# Altium PCB BLDC_DRIVER.PcbDoc (part 3 of 3)
Units mm, origin at the board's own origin, x right, y up, seen from the top; angles counter-clockwise.
Board outline 152.4 x 101.6 mm, 6 copper layers (Top Layer, Internal Plane 1, Signal Layer 1, Signal Layer 2, Internal Plane 2, Bottom Layer), stack 1.3 mm thick; 189 components, 186 nets, 846 pads, 334 vias.
Unrouted connection lines stored in the file: 1.
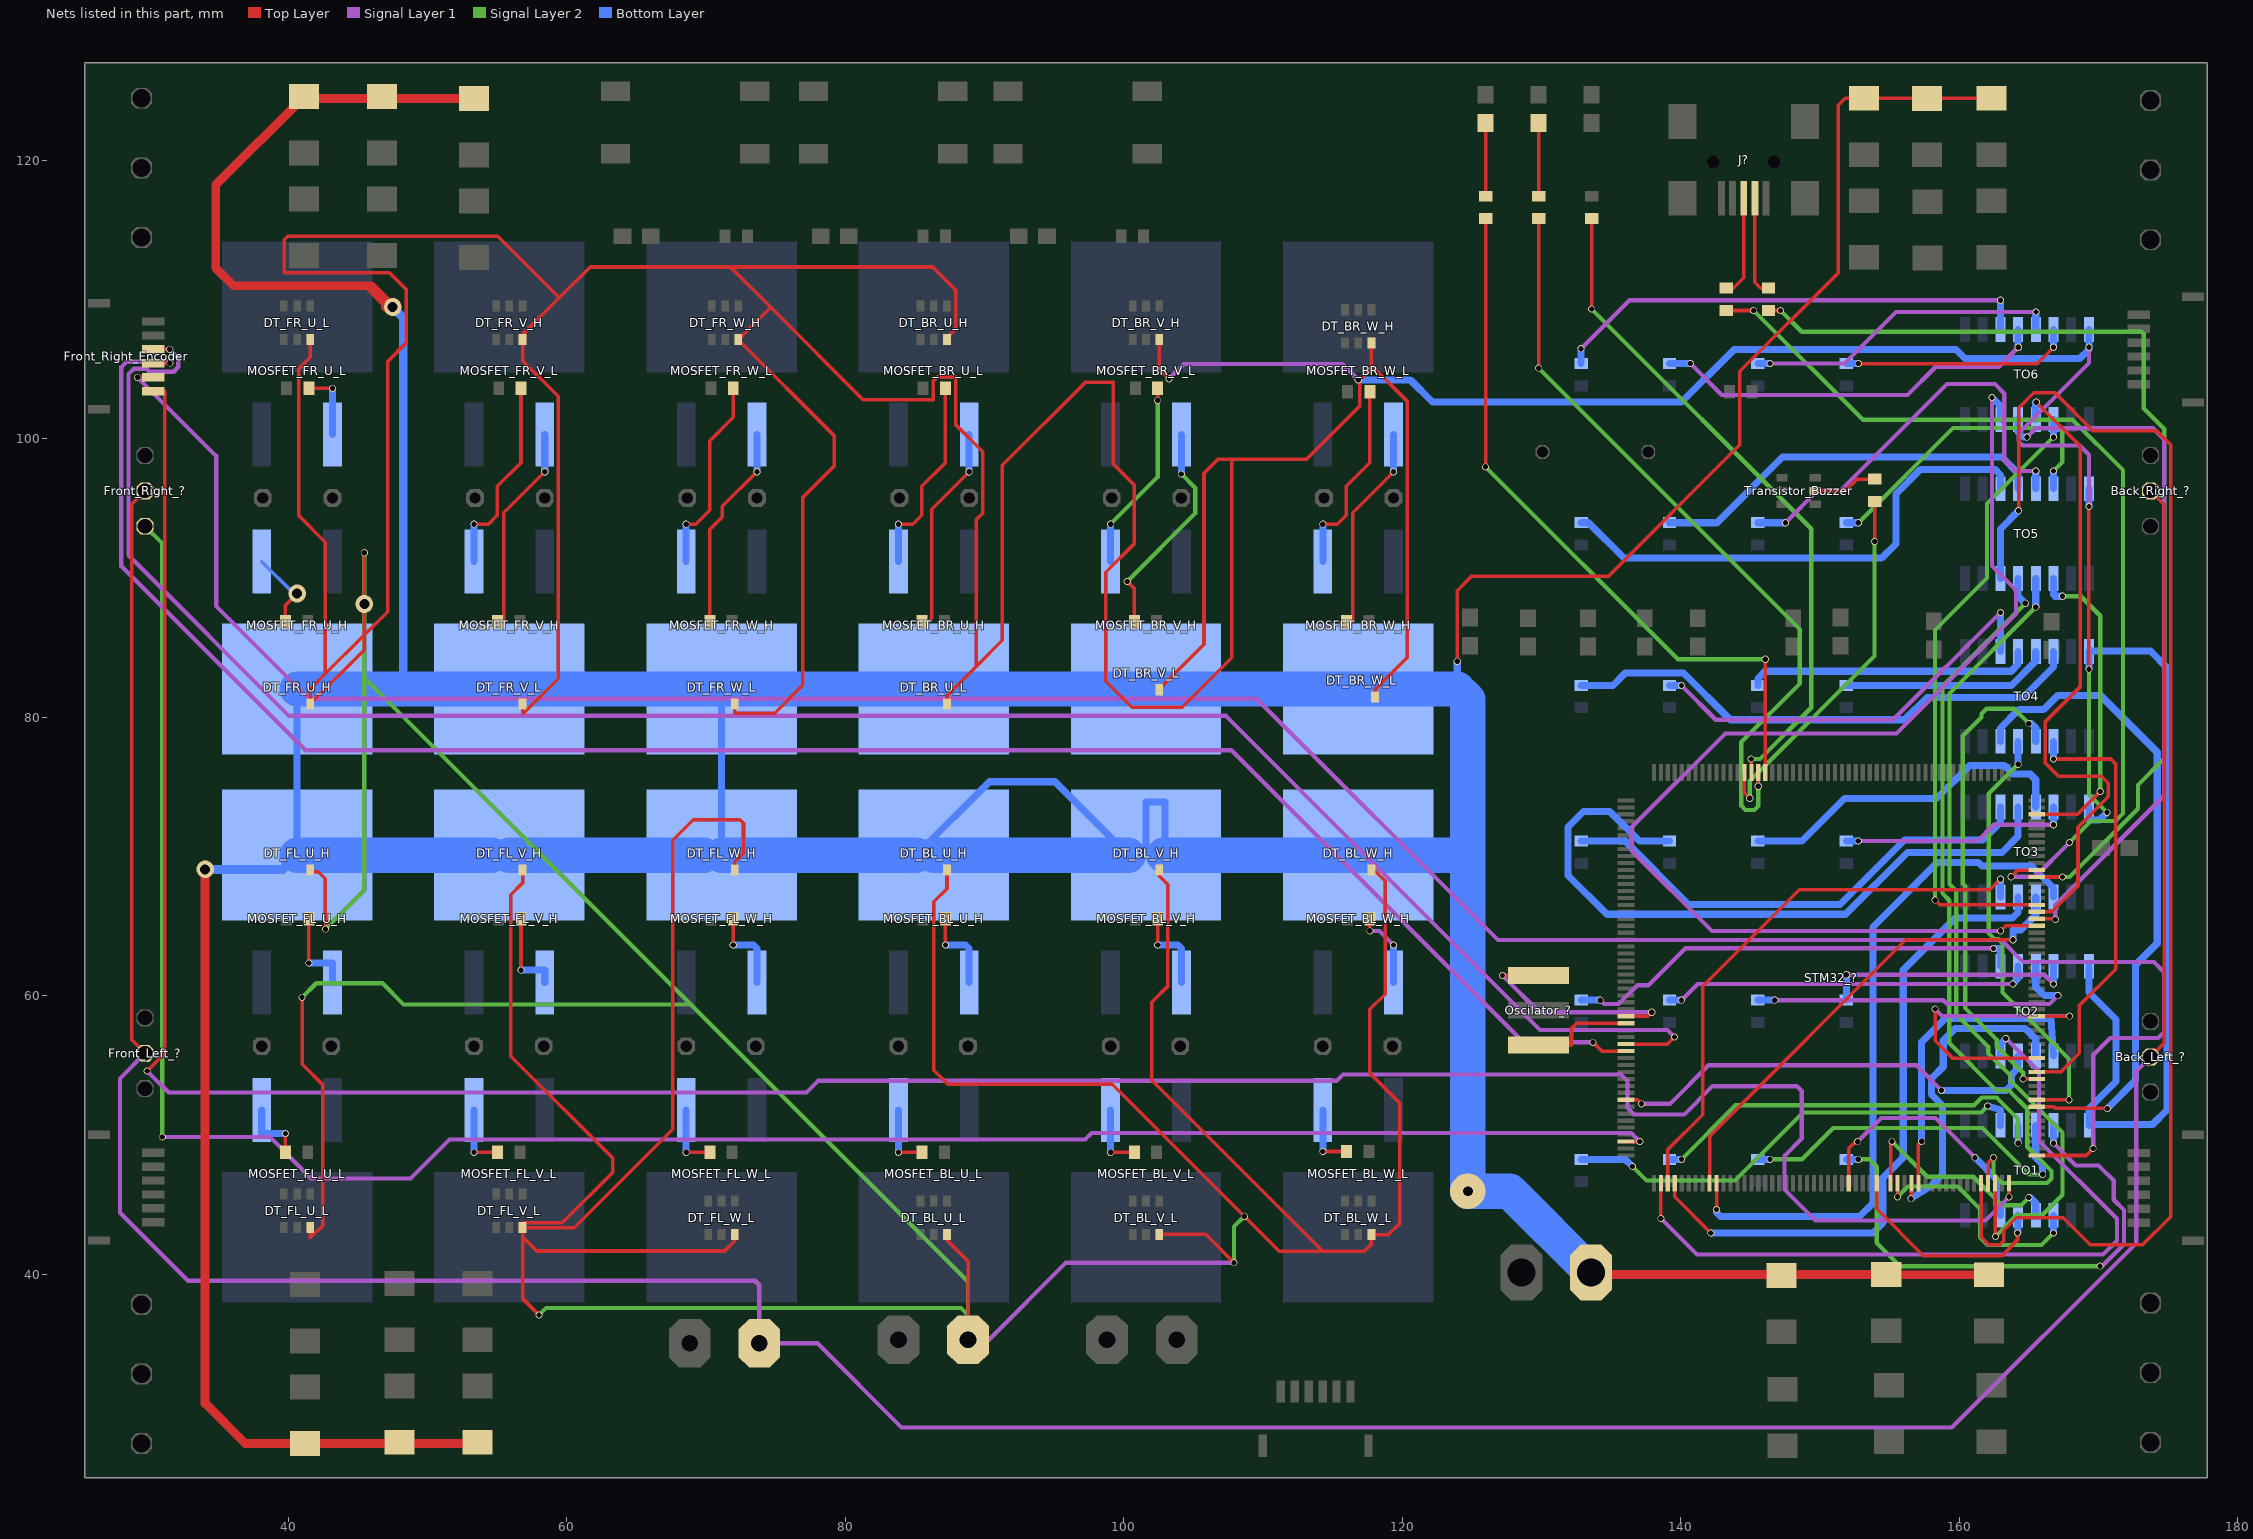
[diagram p7: the nets of this part, all layers, seen from the top]

## Via types
v1: diameter 0.508, hole 0.381, Top Layer to Bottom Layer, 316 vias
v2: diameter 2.54, hole 0.711, Top Layer to Bottom Layer, 7 vias
v3: diameter 1.27, hole 0.711, Top Layer to Bottom Layer, 6 vias
v4: diameter 0.711, hole 0.711, Top Layer to Bottom Layer, 3 vias
v5: diameter 1.5, hole 1.2, Top Layer to Bottom Layer, 2 vias

## Nets (pads, with @x,y where several pads share a name; then routed paths per layer and width w, separated by ;. In a path a pad name is that pad's centre, name@x,y a point inside that pad or via, vN(x,y) a via of type N, cw(c..) or ccw(c..) an arc to the next point about the centre after c; other vN are vias at no path point) (continued)
NetFront_Right_?_3: Front_Right_?.3 STM32_?.50 | length 154.3
  Top Layer w0.254: STM32_?.50@136.072,49.538 v1(137.058,49.538)
  Signal Layer 1 w0.305: v1(30.963,49.86) 38.684,49.86 41.656,46.888 48.793,46.888 51.587,49.682 97.231,49.682 97.704,50.156 136.441,50.156 v1(137.058,49.538)
  Signal Layer 2 w0.305: Front_Right_?.3@29.718,93.726 30.963,92.481 v1(30.963,49.86)
NetFront_Right_Encoder_3: Front_Right_Encoder.3 STM32_?.36 | length 148.7
  Top Layer w0.254: Front_Right_Encoder.3@30.316,106.428 v1(31.494,106.428) ; STM32_?.36@136.072,56.538 139.037,56.538 v1(139.548,57.048)
  Signal Layer 1 w0.305: v1(31.494,106.428) 32.106,105.816 32.106,105.156 31.775,104.826 30.048,104.826 29.845,105.029 28.905,105.029 28.524,104.648 28.524,91.643 40.056,80.112 107.34,80.112 129.896,57.556 139.04,57.556 v1(139.548,57.048)
NetFront_Right_Encoder_4: Front_Right_Encoder.4 STM32_?.37 | length 141.6
  Top Layer w0.254: Front_Right_Encoder.4@30.316,105.428 31.489,105.428 v1(31.496,105.435) ; v1(133.705,56.668) 134.335,56.038 STM32_?.37@136.072,56.038
  Signal Layer 1 w0.305: v1(31.496,105.435) 31.394,105.537 28.397,105.537 28.016,105.156 28.016,90.856 41.224,77.648 107.721,77.648 128.702,56.668 v1(133.705,56.668)
NetFront_Right_Encoder_5: Front_Right_Encoder.5 STM32_?.105 | length 191.7
  Top Layer w0.254: v1(29.185,104.419) 29.193,104.428 Front_Right_Encoder.5@30.316,104.428 ; STM32_?.105@165.572,48.538 169.112,48.538 v1(169.621,49.047)
  Signal Layer 1 w0.305: v1(29.185,104.419) 34.823,98.781 34.823,88.011 41.504,81.331 109.55,81.331 126.873,64.008 163.017,64.008 164.592,62.433 173.99,62.433 174.727,61.697 174.727,57.404 174.295,56.972 170.84,56.972 169.621,55.753 v1(169.621,49.047)
NetFront_Right_Encoder_6: Front_Right_Encoder.6 STM32_?.104 | length 199.8
  Top Layer w0.254: v1(29.87,54.61) 31.14,55.88 31.14,103.428 Front_Right_Encoder.6@30.316,103.428 ; STM32_?.104@163.572,46.538 163.572,45.572 v1(163.576,45.568)
  Signal Layer 1 w0.305: v1(29.87,54.61) 31.42,53.061 77.216,53.061 78.054,53.899 115.291,53.899 115.748,54.356 135.712,54.356 136.176,53.892 136.176,51.962 136.652,51.486 140.259,51.486 142.291,53.518 148.336,53.518 148.692,53.162 148.692,49.759 147.447,48.514 147.447,46.101 149.682,43.866 161.874,43.866 v1(163.576,45.568)
NetG_1: G.1 R180_LED_G.2 | length 5.3
  Top Layer w0.254: R180_LED_G.2@129.794,117.424 G.1@129.794,122.682
NetJ?_2: J?.2 R22_D-.2 | length 7.2
  Top Layer w0.254: J?.2@145.326,117.283 145.326,111.252 145.758,110.82 R22_D-.2@146.304,110.82
NetJ?_3: J?.3 R22_D+.2 | length 7.3
  Top Layer w0.254: R22_D+.2@143.256,110.82 143.764,110.82 144.526,111.582 J?.3@144.526,117.283
NetMOSFET_BL_U_H_G: MOSFET_BL_U_H.G R_BL_U_H.2 | length 6.1
  Top Layer w0.254: v1(87.198,63.652) R_BL_U_H.2@87.198,65.532
  Bottom Layer w0.508: v1(87.198,63.652) 88.646,63.652 88.9,63.398 MOSFET_BL_U_H.G@88.9,60.96
NetMOSFET_BL_U_L_G: MOSFET_BL_U_L.G R_BL_U_L.2 | length 4.7
  Top Layer w0.254: v1(83.82,48.768) R_BL_U_L.2@85.522,48.768
  Bottom Layer w0.508: v1(83.82,48.768) MOSFET_BL_U_L.G@83.82,51.816
NetMOSFET_BL_V_H_G: MOSFET_BL_V_H.G R_BL_V_H.2 | length 6.1
  Top Layer w0.254: v1(102.438,63.652) R_BL_V_H.2@102.438,65.532
  Bottom Layer w0.508: v1(102.438,63.652) 103.886,63.652 104.14,63.398 MOSFET_BL_V_H.G@104.14,60.96
NetMOSFET_BL_V_L_G: MOSFET_BL_V_L.G R_BL_V_L.2 | length 4.7
  Top Layer w0.254: v1(99.06,48.768) R_BL_V_L.2@100.762,48.768
  Bottom Layer w0.508: v1(99.06,48.768) MOSFET_BL_V_L.G@99.06,51.816
NetMOSFET_BL_W_H_G: MOSFET_BL_W_H.G R_BL_W_H.2 | length 5.7
  Top Layer w0.254: v1(117.678,64.668) R_BL_W_H.2@117.678,65.532
  Signal Layer 1 w0.305: v1(117.678,64.668) 118.364,64.668 v1(119.38,63.652)
  Bottom Layer w0.508: MOSFET_BL_W_H.G@119.38,60.96 v1(119.38,63.652)
NetMOSFET_BL_W_L_G: MOSFET_BL_W_L.G R_BL_W_L.2 | length 4.7
  Top Layer w0.254: v1(114.3,48.826) R_BL_W_L.2@116.002,48.826
  Bottom Layer w0.508: v1(114.3,48.826) MOSFET_BL_W_L.G@114.3,51.816
NetMOSFET_BR_U_H_G: MOSFET_BR_U_H.G R_BR_U_H.2 | length 14.5
  Top Layer w0.254: v1(83.82,93.878) 84.861,93.878 85.5,94.517 85.5,96.596 87.198,98.294 R_BR_U_H.2@87.198,103.632
  Bottom Layer w0.508: MOSFET_BR_U_H.G@83.82,91.186 v1(83.82,93.878)
NetMOSFET_BR_U_L_G: MOSFET_BR_U_L.G R_BR_U_L.2 | length 15.1
  Top Layer w0.254: R_BR_U_L.2@85.522,86.868 85.954,86.868 86.208,87.122 86.208,94.945 v1(88.9,97.638)
  Bottom Layer w0.508: v1(88.9,97.638) MOSFET_BR_U_L.G@88.9,100.33
NetMOSFET_BR_V_H_G: MOSFET_BR_V_H.G R_BR_V_H.2 | length 13.8
  Top Layer w0.254: v1(102.438,102.768) R_BR_V_H.2@102.438,103.632
  Signal Layer 2 w0.305: v1(99.06,93.878) 102.438,97.257 v1(102.438,102.768)
  Bottom Layer w0.508: MOSFET_BR_V_H.G@99.06,91.186 v1(99.06,93.878)
NetMOSFET_BR_V_L_G: MOSFET_BR_V_L.G R_BR_V_L.2 | length 16.1
  Top Layer w0.254: v1(100.254,89.764) 100.762,89.256 R_BR_V_L.2@100.762,86.868
  Signal Layer 2 w0.305: v1(100.254,89.764) 105.131,94.64 105.131,96.495 v1(104.14,97.485)
  Bottom Layer w0.508: v1(104.14,97.485) MOSFET_BR_V_L.G@104.14,100.33
NetMOSFET_BR_W_H_G: MOSFET_BR_W_H.G R_BR_W_H.2 | length 14.2
  Top Layer w0.254: v1(114.3,93.878) 115.341,93.878 115.98,94.517 115.98,96.596 117.678,98.294 R_BR_W_H.2@117.678,103.378
  Bottom Layer w0.508: MOSFET_BR_W_H.G@114.3,91.186 v1(114.3,93.878)
NetMOSFET_BR_W_L_G: MOSFET_BR_W_L.G R_BR_W_L.2 | length 15.1
  Top Layer w0.254: R_BR_W_L.2@116.002,86.868 116.437,86.868 116.437,94.695 v1(119.38,97.638)
  Bottom Layer w0.508: v1(119.38,97.638) MOSFET_BR_W_L.G@119.38,100.33
NetMOSFET_FL_U_H_G: MOSFET_FL_U_H.G R_FL_U_H.2 | length 6.3
  Top Layer w0.254: v1(41.478,62.357) R_FL_U_H.2@41.478,65.532
  Bottom Layer w0.508: v1(41.478,62.357) 43.18,62.357 MOSFET_FL_U_H.G@43.18,60.96
NetMOSFET_FL_U_L_G: MOSFET_FL_U_L.G R_FL_U_L.2 | length 4.7
  Top Layer w0.254: R_FL_U_L.2@39.802,48.768 v1(39.802,50.114)
  Bottom Layer w0.508: MOSFET_FL_U_L.G@38.1,51.816 38.1,50.114 v1(39.802,50.114)
NetMOSFET_FL_V_H_G: MOSFET_FL_V_H.G R_FL_V_H.2 | length 6.3
  Top Layer w0.254: v1(56.718,61.849) R_FL_V_H.2@56.718,65.532
  Bottom Layer w0.508: v1(56.718,61.849) 58.42,61.849 MOSFET_FL_V_H.G@58.42,60.96
NetMOSFET_FL_V_L_G: MOSFET_FL_V_L.G R_FL_V_L.2 | length 4.7
  Top Layer w0.254: v1(53.34,48.768) R_FL_V_L.2@55.042,48.768
  Bottom Layer w0.508: v1(53.34,48.768) MOSFET_FL_V_L.G@53.34,51.816
NetMOSFET_FL_W_H_G: MOSFET_FL_W_H.G R_FL_W_H.2 | length 6.1
  Top Layer w0.254: v1(71.958,63.652) R_FL_W_H.2@71.958,65.532
  Bottom Layer w0.508: v1(71.958,63.652) 73.406,63.652 73.66,63.398 MOSFET_FL_W_H.G@73.66,60.96
NetMOSFET_FL_W_L_G: MOSFET_FL_W_L.G R_FL_W_L.2 | length 4.7
  Top Layer w0.254: v1(68.58,48.768) R_FL_W_L.2@70.282,48.768
  Bottom Layer w0.508: v1(68.58,48.768) MOSFET_FL_W_L.G@68.58,51.816
NetMOSFET_FR_U_H_G: MOSFET_FR_U_H.G R_FR_U_H.2 | length 5.9
  Top Layer w0.254: R_FR_U_H.2@39.802,86.868 39.802,88.062 39.958,88.218 v3(40.64,88.9)
  Bottom Layer w0.254: MOSFET_FR_U_H.G@38.1,91.186 40.386,88.9 v3(40.64,88.9)
NetMOSFET_FR_U_L_G: MOSFET_FR_U_L.G R_FR_U_L.2 | length 5
  Top Layer w0.254: R_FR_U_L.2@41.478,103.632 v1(43.18,103.632)
  Bottom Layer w0.508: MOSFET_FR_U_L.G@43.18,100.33 v1(43.18,103.632)
NetMOSFET_FR_V_H_G: MOSFET_FR_V_H.G R_FR_V_H.2 | length 14.5
  Top Layer w0.254: v1(53.34,93.878) 54.381,93.878 55.02,94.517 55.02,96.596 56.718,98.294 R_FR_V_H.2@56.718,103.632
  Bottom Layer w0.508: MOSFET_FR_V_H.G@53.34,91.186 v1(53.34,93.878)
NetMOSFET_FR_V_L_G: MOSFET_FR_V_L.G R_FR_V_L.2 | length 15.1
  Top Layer w0.254: R_FR_V_L.2@55.042,86.868 55.477,86.868 55.477,94.695 v1(58.42,97.638)
  Bottom Layer w0.508: v1(58.42,97.638) MOSFET_FR_V_L.G@58.42,100.33
NetMOSFET_FR_W_H_G: MOSFET_FR_W_H.G R_FR_W_H.2 | length 14.2
  Top Layer w0.254: v1(68.58,93.878) 69.255,93.878 70.26,94.884 70.26,99.847 71.958,101.545 R_FR_W_H.2@71.958,103.632
  Bottom Layer w0.508: MOSFET_FR_W_H.G@68.58,91.186 v1(68.58,93.878)
NetMOSFET_FR_W_L_G: MOSFET_FR_W_L.G R_FR_W_L.2 | length 14.9
  Top Layer w0.254: R_FR_W_L.2@70.282,86.868 70.282,93.497 71.175,94.39 71.175,95.152 v1(73.66,97.638)
  Bottom Layer w0.508: v1(73.66,97.638) MOSFET_FR_W_L.G@73.66,100.33
NetOscilator_?_1: Oscilator_?.1 STM32_?.32 | length 16.4
  Top Layer w0.254: v1(127.203,61.468) Oscilator_?.1@129.794,61.468 ; STM32_?.32@136.072,58.538 137.63,58.538 v1(137.918,58.826)
  Signal Layer 1 w0.305: v1(127.203,61.468) 129.845,58.826 v1(137.918,58.826)
NetOscilator_?_3: Oscilator_?.3 STM32_?.33 | length 7.6
  Top Layer w0.254: Oscilator_?.3@129.794,56.468 132.131,56.468 132.156,56.493 132.156,57.658 132.536,58.038 STM32_?.33@136.072,58.038
NetR22_D+_1: R22_D+.1 STM32_?.146 | length 69.9
  Top Layer w0.254: R22_D+.1@143.256,109.22 v1(145.237,109.22) ; v1(163.728,68.555) 164.212,69.038 STM32_?.146@165.572,69.038
  Signal Layer 1 w0.305: v1(163.728,68.555) 165.456,68.555 v1(167.919,71.018)
  Signal Layer 2 w0.305: v1(145.237,109.22) 153.086,101.371 168.139,101.371 171.755,97.755 171.755,73.101 171.221,72.568 169.469,72.568 v1(167.919,71.018)
NetR22_D-_1: R22_D-.1 STM32_?.145 | length 72.4
  Top Layer w0.254: R22_D-.1@146.304,109.22 v1(147.168,109.22) ; STM32_?.145@165.572,68.538 v1(167.42,68.538)
  Signal Layer 2 w0.305: v1(147.168,109.22) 148.692,107.696 173.101,107.696 173.253,107.544 173.253,102.184 174.727,100.711 174.727,77.039 172.832,75.145 172.832,73.442 167.928,68.538 v1(167.42,68.538)
NetR180_LED_B_1: R180_LED_B.1 STM32_?.194 | length 48.5
  Top Layer w0.254: v1(133.604,109.322) R180_LED_B.1@133.604,115.824 ; v1(145.059,77.013) 145.072,77 STM32_?.194@145.072,76.038
  Signal Layer 2 w0.305: v1(133.604,109.322) 149.377,93.548 149.377,80.696 145.694,77.013 v1(145.059,77.013)
NetR180_LED_G_1: R180_LED_G.1 STM32_?.193 | length 55.5
  Top Layer w0.254: v1(129.794,105.08) R180_LED_G.1@129.794,115.824 ; v1(145.567,75.057) 145.572,75.062 STM32_?.193@145.572,76.038
  Signal Layer 2 w0.305: v1(129.794,105.08) 148.556,86.318 148.556,82.44 144.348,78.232 144.348,73.66 144.653,73.355 145.288,73.355 145.567,73.635 v1(145.567,75.057)
NetR180_LED_R_1: R180_LED_R.1 STM32_?.192 | length 51.8
  Top Layer w0.254: v1(125.984,97.993) R180_LED_R.1@125.984,115.824 ; STM32_?.192@146.072,76.038 v1(146.072,84.176)
  Signal Layer 2 w0.305: v1(125.984,97.993) 139.802,84.176 v1(146.072,84.176)
NetR180_LED_R_2: R180_LED_R.2 R.1 | length 5.3
  Top Layer w0.254: R180_LED_R.2@125.984,117.424 R.1@125.984,122.682
NetR_DT_BL_U_H_1: R_DT_BL_U_H.1 TO2.13 | length 25.2
  Signal Layer 1 w0.305: v1(146.761,59.69) 158.852,59.69 159.131,59.411 166.472,59.411 v1(167.081,60.02)
  Bottom Layer w0.508: R_DT_BL_U_H.1@145.542,59.69 v1(146.761,59.69) ; TO2.13@165.498,62.134 165.498,60.638 166.116,60.02 v1(167.081,60.02)
NetR_DT_BL_U_L_1: R_DT_BL_U_L.1 TO3.12 | length 50
  Bottom Layer w0.508: R_DT_BL_U_L.1@139.192,71.12 137.033,71.12 134.899,73.254 133.02,73.254 131.902,72.136 131.902,68.656 134.696,65.862 151.841,65.862 156.284,70.305 163.066,70.305 164.228,71.467 TO3.12@164.228,73.564
NetR_DT_BL_V_H_1: R_DT_BL_V_H.1 TO2.14 | length 18.3
  Signal Layer 1 w0.305: v1(151.892,61.519) 166.108,61.519 v1(166.768,60.858)
  Bottom Layer w0.508: R_DT_BL_V_H.1@151.892,59.69 v1(151.892,61.519) ; v1(166.768,60.858) TO2.14@166.768,62.134
NetR_DT_BL_V_L_1: R_DT_BL_V_L.1 TO3.13 | length 24.6
  Bottom Layer w0.508: R_DT_BL_V_L.1@145.542,71.12 148.717,71.12 151.765,74.168 158.379,74.168 160.741,76.53 163.246,76.53 163.855,75.921 165.1,75.921 165.498,75.523 TO3.13@165.498,73.564
NetR_DT_BL_W_H_1: R_DT_BL_W_H.1 TO3.11 | length 35.5
  Bottom Layer w0.508: R_DT_BL_W_H.1@132.842,71.12 136.017,71.12 140.564,66.573 151.447,66.573 156.07,71.196 161.688,71.196 162.958,72.466 TO3.11@162.958,73.564
NetR_DT_BL_W_L_1: R_DT_BL_W_L.1 TO3.14 | length 16.6
  Signal Layer 1 w0.305: v1(152.756,71.12) 161.315,71.12 162.484,72.288 v1(166.768,72.288)
  Bottom Layer w0.508: R_DT_BL_W_L.1@151.892,71.12 v1(152.756,71.12) ; v1(166.768,72.288) TO3.14@166.768,73.564
NetR_DT_BR_U_H_1: R_DT_BR_U_H.1 TO5.13 | length 30.7
  Signal Layer 1 w0.305: v1(147.523,93.98) 149.835,96.291 151.486,96.291 159.131,103.937 162.56,103.937 163.237,103.259 163.237,98.501 164.05,97.688 v1(165.498,97.688)
  Bottom Layer w0.508: R_DT_BR_U_H.1@145.542,93.98 v1(147.523,93.98) ; TO5.13@165.498,96.424 v1(165.498,97.688)
NetR_DT_BR_U_L_1: R_DT_BR_U_L.1 TO6.12 | length 28.7
  Signal Layer 1 w0.305: v1(140.691,105.41) 142.951,103.149 156.286,103.149 158.318,105.181 162.839,105.181 v1(164.236,106.578)
  Bottom Layer w0.508: R_DT_BR_U_L.1@139.192,105.41 v1(140.691,105.41) ; TO6.12@164.228,107.854 164.228,106.587 v1(164.236,106.578)
NetR_DT_BR_V_H_1: R_DT_BR_V_H.1 TO5.14 | length 22.8
  Signal Layer 2 w0.305: v1(152.756,93.98) 159.563,100.787 167.132,100.787 167.407,100.512 167.407,98.331 v1(166.768,97.692)
  Bottom Layer w0.508: R_DT_BR_V_H.1@151.892,93.98 v1(152.756,93.98) ; TO5.14@166.768,96.424 v1(166.768,97.692)
NetR_DT_BR_V_L_1: R_DT_BR_V_L.1 TO6.13 | length 22.8
  Signal Layer 1 w0.305: v1(146.406,105.41) 151.765,105.41 155.465,109.11 v1(165.506,109.11)
  Bottom Layer w0.508: R_DT_BR_V_L.1@145.542,105.41 v1(146.406,105.41) ; TO6.13@165.498,107.854 165.498,109.102 v1(165.506,109.11)
NetR_DT_BR_W_H_1: R_DT_BR_W_H.1 TO6.11 | length 34.7
  Signal Layer 1 w0.305: v1(132.842,106.477) 136.322,109.957 v1(162.966,109.957)
  Bottom Layer w0.508: R_DT_BR_W_H.1@132.842,105.41 v1(132.842,106.477) ; TO6.11@162.958,107.854 162.958,109.948 v1(162.966,109.957)
NetR_DT_BR_W_L_1: R_DT_BR_W_L.1 TO6.14 | length 16.6
  Top Layer w0.254: v1(152.756,105.41) 165.608,105.41 v1(166.776,106.578)
  Bottom Layer w0.508: R_DT_BR_W_L.1@151.892,105.41 v1(152.756,105.41) ; TO6.14@166.768,107.854 166.768,106.587 v1(166.776,106.578)
NetR_DT_FL_U_H_1: R_DT_FL_U_H.1 TO1.11 | length 34.1
  Signal Layer 2 w0.305: v1(136.525,47.752) 137.541,46.736 143.891,46.736 148.789,51.634 161.582,51.634 v1(162.044,52.095)
  Bottom Layer w0.508: R_DT_FL_U_H.1@132.842,48.26 136.017,48.26 v1(136.525,47.752) ; v1(162.044,52.095) 162.958,51.816 TO1.11@162.958,50.704
NetR_DT_FL_U_L_1: R_DT_FL_U_L.1 TO1.14 | length 38.6
  Signal Layer 1 w0.305: v1(166.768,49.428) 168.368,47.828 170.002,47.828 171.094,46.736 171.094,45.364 171.831,44.628 171.831,42.164 170.256,40.589 v1(170.104,40.589)
  Signal Layer 2 w0.305: v1(152.756,48.26) 153.568,48.26 154.076,47.752 154.076,42.266 155.753,40.589 v1(170.104,40.589)
  Bottom Layer w0.508: R_DT_FL_U_L.1@151.892,48.26 v1(152.756,48.26) ; v1(166.768,49.428) TO1.14@166.768,50.704
NetR_DT_FL_V_H_1: R_DT_FL_V_H.1 TO1.12 | length 30.5
  Signal Layer 2 w0.305: v1(140.056,48.26) 143.937,52.142 161.057,52.142 161.62,52.705 162.687,52.705 164.228,51.164 v1(164.228,49.428)
  Bottom Layer w0.508: R_DT_FL_V_H.1@139.192,48.26 v1(140.056,48.26) ; v1(164.228,49.428) TO1.12@164.228,50.704
NetR_DT_FL_V_L_1: R_DT_FL_V_L.1 TO2.11 | length 33.2
  Signal Layer 1 w0.305: v1(134.214,59.69) 134.493,59.411 135.534,59.411 136.881,60.757 137.668,60.757 140.335,63.424 162.433,63.424 v1(162.458,63.398)
  Bottom Layer w0.508: R_DT_FL_V_L.1@132.842,59.69 v1(134.214,59.69) ; v1(162.458,63.398) 162.958,63.398 TO2.11@162.958,62.134
NetR_DT_FL_W_H_1: R_DT_FL_W_H.1 TO1.13 | length 26.5
  Signal Layer 2 w0.305: v1(146.406,48.26) 148.692,48.26 150.952,50.521 161.671,50.521 165.01,47.182 v1(165.989,47.182)
  Bottom Layer w0.508: R_DT_FL_W_H.1@145.542,48.26 v1(146.406,48.26) ; TO1.13@165.498,50.704 165.498,48.395 165.989,47.904 v1(165.989,47.182)
NetR_DT_FL_W_L_1: R_DT_FL_W_L.1 TO2.12 | length 26.6
  Signal Layer 1 w0.305: v1(140.056,59.69) 141.224,60.858 v1(163.847,60.858)
  Bottom Layer w0.508: R_DT_FL_W_L.1@139.192,59.69 v1(140.056,59.69) ; v1(163.847,60.858) 164.228,61.239 TO2.12@164.228,62.134
NetR_DT_FR_U_H_1: R_DT_FR_U_H.1 TO4.11 | length 30.8
  Signal Layer 1 w0.305: v1(140.056,82.296) 142.519,79.832 155.255,79.832 v1(162.958,87.536)
  Bottom Layer w0.508: R_DT_FR_U_H.1@139.192,82.296 v1(140.056,82.296) ; TO4.11@162.958,84.74 v1(162.958,87.536)
NetR_DT_FR_U_L_1: R_DT_FR_U_L.1 TO4.14 | length 38.4
  Bottom Layer w0.508: R_DT_FR_U_L.1@132.842,82.296 135.128,82.296 136.017,83.185 140.208,83.185 143.561,79.832 156.083,79.832 157.685,81.434 164.585,81.434 166.768,83.617 TO4.14@166.768,84.74
NetR_DT_FR_V_H_1: R_DT_FR_V_H.1 TO4.12 | length 20.5
  Bottom Layer w0.508: R_DT_FR_V_H.1@145.542,82.296 145.542,82.804 146.052,83.314 163.731,83.314 164.228,83.812 TO4.12@164.228,84.74
NetR_DT_FR_V_L_1: R_DT_FR_V_L.1 TO5.11 | length 37.1
  Bottom Layer w0.508: R_DT_FR_V_L.1@132.842,93.98 133.375,93.98 135.915,91.44 154.432,91.44 155.448,92.456 155.448,96.037 157.226,97.815 162.56,97.815 162.958,97.417 TO5.11@162.958,96.424
NetR_DT_FR_W_H_1: R_DT_FR_W_H.1 TO4.13 | length 15
  Bottom Layer w0.508: R_DT_FR_W_H.1@151.892,82.296 163.754,82.296 165.498,84.04 TO4.13@165.498,84.74
NetR_DT_FR_W_L_1: R_DT_FR_W_L.1 TO5.12 | length 28.6
  Bottom Layer w0.508: R_DT_FR_W_L.1@139.192,93.98 142.596,93.98 147.32,98.704 163.06,98.704 164.228,97.536 TO5.12@164.228,96.424
NetR_TRANSISTOR_Buzzer_1: R_TRANSISTOR_Buzzer.1 STM32_?.195 | length 27
  Top Layer w0.254: STM32_?.195@144.572,76.038 144.572,74.579 v1(144.958,74.193) ; v1(153.924,92.634) R_TRANSISTOR_Buzzer.1@153.924,95.504
  Signal Layer 2 w0.305: v1(144.958,74.193) 144.958,75.438 153.924,84.404 v1(153.924,92.634)
NetR_TRANSISTOR_Buzzer_2: R_TRANSISTOR_Buzzer.2 Transistor_Buzzer.2 | length 4.6
  Top Layer w0.254: Transistor_Buzzer.2@149.662,96.266 151.816,96.266 152.654,97.104 R_TRANSISTOR_Buzzer.2@153.924,97.104
NetSTM32_?_44: STM32_?.44 TO2.5 | length 32.1
  Top Layer w0.254: STM32_?.44@136.072,52.538 136.895,52.538 v1(137.185,52.248)
  Signal Layer 1 w0.305: v1(137.185,52.248) 139.217,52.248 141.986,55.016 156.921,55.016 v1(158.725,53.213)
  Bottom Layer w0.508: v1(158.725,53.213) 163.373,53.213 163.754,53.594 163.754,54.339 164.228,54.813 TO2.5@164.228,55.674
NetSTM32_?_54: STM32_?.54 TO2.6 | length 56
  Top Layer w0.254: v1(138.572,44.018) STM32_?.54@138.572,46.538
  Signal Layer 1 w0.305: v1(138.572,44.018) 141.163,41.427 170.332,41.427 171.323,42.418 171.323,43.993 165.735,49.581 165.735,54.559 v1(163.347,56.947)
  Bottom Layer w0.508: TO2.6@162.958,55.674 162.958,56.557 v1(163.347,56.947)
NetSTM32_?_55: STM32_?.55 TO3.6 | length 41
  Top Layer w0.254: STM32_?.55@139.072,46.538 139.072,48.965 141.58,51.473 141.58,60.681 148.514,67.615 162.196,67.615 v1(162.958,68.377)
  Bottom Layer w0.508: TO3.6@162.958,67.104 v1(162.958,68.377)
NetSTM32_?_56: STM32_?.56 TO3.5 | length 47.1
  Top Layer w0.254: STM32_?.56@139.572,46.538 139.572,45.569 v1(142.164,42.977)
  Bottom Layer w0.508: v1(142.164,42.977) 153.797,42.977 154.508,43.688 154.508,46.927 155.981,48.4 155.981,61.849 159.715,65.583 163.83,65.583 164.228,65.981 TO3.5@164.228,67.104
NetSTM32_?_61: STM32_?.61 TO3.4 | length 35.1
  Top Layer w0.254: STM32_?.61@142.072,46.538 142.072,49.936 156.169,64.033 v1(163.855,64.033)
  Bottom Layer w0.508: v1(163.855,64.033) 163.855,64.745 164.44,64.745 165.498,65.803 TO3.4@165.498,67.104
NetSTM32_?_62: STM32_?.62 TO3.3 | length 50
  Top Layer w0.254: v1(142.57,44.653) 142.572,44.655 STM32_?.62@142.572,46.538
  Bottom Layer w0.508: v1(142.57,44.653) 142.57,44.45 142.875,44.145 152.832,44.145 153.797,45.11 153.797,64.948 158.443,69.594 161.36,69.594 161.637,69.317 165.193,69.317 166.768,67.742 TO3.3@166.768,67.104
NetSTM32_?_81: STM32_?.81 TO1.6 | length 18.7
  Top Layer w0.254: STM32_?.81@152.072,46.538 152.072,49.05 152.552,49.53 v1(152.705,49.53)
  Signal Layer 1 w0.305: v1(152.705,49.53) 154.407,51.232 158.293,51.232 v1(161.138,48.387)
  Bottom Layer w0.508: v1(161.138,48.387) 162.687,46.838 162.687,45.009 162.958,45.009 TO1.6@162.958,44.244
NetSTM32_?_85: STM32_?.85 TO1.5 | length 15.6
  Top Layer w0.254: STM32_?.85@154.072,46.538 154.072,44.704 157.425,41.351 163.068,41.351 164.186,42.469 v1(164.186,42.977)
  Bottom Layer w0.508: v1(164.186,42.977) 164.228,43.019 TO1.5@164.228,44.244
NetSTM32_?_87: STM32_?.87 TO1.4 | length 16.6
  Top Layer w0.254: STM32_?.87@155.072,46.538 155.072,49.459 v1(155.169,49.555)
  Signal Layer 2 w0.305: v1(155.169,49.555) 157.709,47.015 161.011,47.015 163.068,44.958 164.44,44.958 v1(164.998,45.517)
  Bottom Layer w0.508: v1(164.998,45.517) 165.117,45.517 165.498,45.136 TO1.4@165.498,44.244
NetSTM32_?_88: STM32_?.88 TO1.3 | length 17
  Top Layer w0.254: v1(155.572,45.568) STM32_?.88@155.572,46.538
  Signal Layer 2 w0.305: v1(155.572,45.568) 156.309,46.304 159.893,46.304 161.493,44.704 161.493,42.672 162.052,42.113 165.904,42.113 v1(166.768,42.977)
  Bottom Layer w0.508: v1(166.768,42.977) TO1.3@166.768,44.244
NetSTM32_?_90: STM32_?.90 TO2.4 | length 22.8
  Top Layer w0.254: v1(156.54,45.441) 156.572,45.472 STM32_?.90@156.572,46.538
  Bottom Layer w0.508: v1(156.54,45.441) 157.988,46.355 158.801,47.168 158.801,52.121 158.013,52.908 158.013,54.077 158.852,54.915 158.852,56.793 159.717,57.658 164.736,57.658 165.498,56.896 TO2.4@165.498,55.674
NetSTM32_?_91: STM32_?.91 TO2.3 | length 22.9
  Top Layer w0.254: STM32_?.91@157.072,46.538 157.072,49.325 v1(157.302,49.555)
  Bottom Layer w0.508: v1(157.302,49.555) 157.302,56.674 158.997,58.369 166.581,58.369 TO2.3@166.768,55.674
NetSTM32_?_100: STM32_?.100 TO5.6 | length 101.7
  Top Layer w0.254: STM32_?.100@161.572,46.538 161.572,42.672 162.105,42.139 162.916,42.139 163.195,42.418 163.195,43.18 164.084,44.069 167.462,44.069 169.413,42.118 173.156,42.118 175.184,44.145 175.184,99.568 174.168,100.584 169.596,100.584 166.878,103.302 165.354,103.302 164.262,102.21 v1(164.262,94.844)
  Bottom Layer w0.508: TO5.6@162.958,89.964 162.958,93.54 v1(164.262,94.844)
NetSTM32_?_101: STM32_?.101 TO5.5 | length 57.3
  Top Layer w0.254: STM32_?.101@162.072,46.538 162.072,48.001 v1(162.458,48.387)
  Signal Layer 2 w0.305: v1(162.458,48.387) 162.458,47.168 163.068,46.558 166.313,46.558 166.624,46.869 166.624,47.428 164.886,49.165 164.886,51.894 163.568,53.213 162.687,53.213 159.283,56.617 159.283,66.873 158.792,67.364 158.792,82.237 v1(164.744,88.189)
  Bottom Layer w0.508: TO5.5@164.228,89.964 164.228,88.705 v1(164.744,88.189)
NetSTM32_?_102: STM32_?.102 TO5.4 | length 60
  Top Layer w0.254: STM32_?.102@162.572,46.538 162.572,42.762 v1(162.611,42.723)
  Signal Layer 2 w0.305: v1(162.611,42.723) 164.135,44.247 165.938,44.247 167.411,45.72 167.411,50.182 163.678,53.916 163.678,54.28 162.077,55.88 162.077,56.371 159.791,58.657 159.791,67.522 159.3,68.013 159.3,81.72 v1(165.498,87.918)
  Bottom Layer w0.508: v1(165.498,87.918) TO5.4@165.498,89.964
NetSTM32_?_112: STM32_?.112 TO4.6 | length 47.1
  Top Layer w0.254: STM32_?.112@165.572,52.038 166.802,52.038 166.922,51.918 v1(170.637,51.918)
  Bottom Layer w0.508: TO4.6@162.958,78.28 162.958,79.248 164.279,80.569 166.065,80.569 167.081,81.585 170.129,81.585 174.219,77.495 174.219,63.779 172.644,62.205 172.644,53.924 v1(170.637,51.918)
NetSTM32_?_113: STM32_?.113 TO4.5 | length 31.5
  Top Layer w0.254: STM32_?.113@165.572,52.538 v1(167.886,52.538)
  Signal Layer 2 w0.305: v1(164.228,76.632) 162.114,74.518 162.114,64.505 162.56,64.059 162.814,64.059 163.11,63.762 163.11,60.249 167.886,55.474 v1(167.886,52.538)
  Bottom Layer w0.508: v1(164.228,76.632) TO4.5@164.228,78.28
NetSTM32_?_116: STM32_?.116 TO4.4 | length 35.1
  Top Layer w0.254: v1(164.592,54.038) STM32_?.116@165.572,54.038
  Signal Layer 2 w0.305: v1(164.592,54.038) 164.592,54.483 162.687,56.388 162.687,56.871 160.426,59.131 160.426,67.894 160.249,68.072 160.249,78.664 161.595,80.01 161.595,80.264 161.95,80.62 163.932,80.62 v1(164.998,79.553)
  Bottom Layer w0.508: v1(164.998,79.553) 165.193,79.553 165.498,79.248 TO4.4@165.498,78.28
NetSTM32_?_117: STM32_?.117 TO4.3 | length 31.4
  Top Layer w0.254: STM32_?.117@165.572,54.538 167.289,54.538 168.631,55.88 168.631,59.309 171.247,61.925 171.247,76.657 170.891,77.013 v1(166.776,77.013)
  Bottom Layer w0.508: TO4.3@166.768,78.28 166.768,77.021 v1(166.776,77.013)
NetSTM32_?_119: STM32_?.119 STM32_?.125 | length 22.3
  Top Layer w0.254: v1(158.267,59.055) 158.267,56.783 159.512,55.538 STM32_?.119@165.572,55.538 ; STM32_?.125@165.572,58.538 167.91,58.538 v1(167.919,58.547)
  Signal Layer 1 w0.305: v1(158.267,59.055) 158.775,58.547 v1(167.919,58.547)
NetSTM32_?_138: STM32_?.138 TO6.6 | length 85.4
  Top Layer w0.254: v1(162.966,64.668) 163.336,65.038 STM32_?.138@165.572,65.038
  Signal Layer 1 w0.305: v1(162.357,102.972) 162.357,90.881 164.084,89.154 164.084,87.427 155.499,78.842 143.205,78.842 136.449,72.085 136.449,70.46 142.24,64.668 v1(162.966,64.668)
  Bottom Layer w0.508: v1(162.357,102.972) 162.958,102.37 TO6.6@162.958,101.394
NetSTM32_?_139: STM32_?.139 TO6.5 | length 51.2
  Top Layer w0.254: STM32_?.139@165.572,65.538 166.847,65.538 v1(166.903,65.481)
  Signal Layer 1 w0.305: v1(164.863,100.127) 165.498,100.762 173.914,100.762 174.727,99.949 174.727,74.371 166.903,66.548 v1(166.903,65.481)
  Bottom Layer w0.508: TO6.5@164.228,101.394 164.228,100.491 164.592,100.127 v1(164.863,100.127)
NetSTM32_?_140: STM32_?.140 TO6.4 | length 46.7
  Top Layer w0.254: v1(165.532,102.641) 168.707,99.466 168.707,82.22 166.192,79.705 166.192,76.708 167.132,75.768 170.205,75.768 170.713,75.26 170.713,74.302 168.529,72.118 168.529,67.918 166.649,66.038 STM32_?.140@165.572,66.038
  Bottom Layer w0.508: TO6.4@165.498,101.394 165.498,102.608 v1(165.532,102.641)
NetSTM32_?_141: STM32_?.141 TO6.3 | length 45.5
  Top Layer w0.254: v1(158.267,66.878) 158.608,66.538 STM32_?.141@165.572,66.538
  Signal Layer 2 w0.305: v1(158.267,66.878) 158.267,86.284 162.001,90.018 162.001,95.352 v1(166.776,100.127)
  Bottom Layer w0.508: TO6.3@166.768,101.394 166.768,100.135 v1(166.776,100.127)
NetSTM32_?_154: STM32_?.154 TO5.3 | length 23
  Top Layer w0.254: STM32_?.154@165.572,73.038 168.491,73.038 v1(170.129,74.676)
  Signal Layer 2 w0.305: v1(167.411,88.697) 168.732,88.697 170.129,87.3 v1(170.129,74.676)
  Bottom Layer w0.508: TO5.3@166.768,89.964 166.768,88.824 166.895,88.697 v1(167.411,88.697)
VCC_5V: 5V_Supply.2 DT_BL_U_H.6 DT_BL_U_L.6 DT_BL_V_H.6 DT_BL_V_L.6 DT_BL_W_H.6 DT_BL_W_L.6 DT_BR_U_H.6 DT_BR_U_L.6 DT_BR_V_H.6 DT_BR_V_L.6 DT_BR_W_H.6 DT_BR_W_L.6 DT_FL_U_H.6 DT_FL_U_L.6 DT_FL_V_H.6 DT_FL_V_L.6 DT_FL_W_H.6 DT_FL_W_L.6 DT_FR_U_H.6 DT_FR_U_L.6 DT_FR_V_H.6 DT_FR_V_L.6 DT_FR_W_H.6 DT_FR_W_L.6 TO1.16 TO2.16 TO3.16 TO4.16 TO5.16 TO6.16 | length 1006.3
  Top Layer w0.254: v1(40.996,59.893) 40.996,55.095 42.494,53.597 42.494,43.525 41.59,42.621 DT_FL_U_L.6@41.59,43.376 ; DT_FL_U_H.6@41.59,69.03 41.59,68.91 42.164,68.91 42.672,68.402 v1(42.672,64.795) ; DT_FR_U_L.6@41.59,107.13 41.59,105.852 40.742,105.004 40.742,94.513 42.672,92.583 42.672,83.124 ; v1(45.466,91.821) v3(45.466,88.138) ; DT_FL_V_H.6@56.83,69.03 56.83,68.108 55.982,67.259 55.982,55.677 63.322,48.336 63.322,47.346 59.69,43.713 56.83,43.713 DT_FL_V_L.6@56.83,43.376 DT_FL_V_L.6@56.83,43.358 ; DT_FR_V_L.6@56.83,80.968 56.83,80.355 56.896,80.289 59.385,82.779 59.385,103.058 56.83,105.613 DT_FR_V_H.6@56.83,107.13 56.83,107.493 59.467,110.129 ; v1(58.014,37.084) 56.83,38.268 56.83,42.706 ; DT_FL_W_L.6@72.07,42.868 72.07,42.418 71.333,41.681 57.856,41.681 56.83,42.706 ; DT_FL_W_H.6@72.07,69.03 72.07,69.621 72.695,70.246 72.695,72.39 72.441,72.644 69.088,72.644 67.615,71.171 67.615,50.425 60.548,43.358 DT_FL_V_L.6@56.83,43.358 ; DT_FR_W_L.6@72.07,80.968 72.07,80.289 74.93,80.289 76.937,82.296 76.937,95.783 79.197,98.044 79.197,100.239 72.324,107.112 DT_FR_W_H.6@72.324,107.13 74.647,109.453 ; DT_BL_U_L.6@87.31,42.868 87.31,42.443 88.82,40.933 5V_Supply.2@88.82,35.306 ; DT_BL_U_H.6@87.31,69.03 87.31,67.701 86.36,66.751 86.36,54.661 87.376,53.645 99.187,53.645 v1(108.661,44.171) 111.176,41.656 114.3,41.656 ; DT_BR_U_L.6@87.31,80.968 87.31,81.554 89.408,83.652 ; DT_BR_U_H.6@87.31,107.13 87.31,107.264 87.935,107.889 87.935,110.693 86.284,112.344 71.755,112.344 ; DT_BL_V_L.6@102.55,42.868 102.55,42.875 105.893,42.875 v1(107.925,40.843) ; DT_BL_V_H.6@102.55,69.03 102.55,68.605 103.175,67.981 103.175,60.706 102.003,59.534 102.003,53.953 114.3,41.656 ; DT_BR_V_L.6@102.55,81.984 102.55,82.042 105.766,85.258 105.766,97.536 106.782,98.552 107.747,98.552 ; DT_BR_V_H.6@102.55,107.13 102.55,105.019 v1(103.251,104.318) ; v1(116.84,104.242) v1@116.942,104.242 ; DT_BL_W_L.6@117.79,42.868 DT_BL_W_L.6@117.79,42.85 ; DT_BL_W_H.6@117.79,69.03 117.79,68.91 118.11,68.91 118.77,68.25 118.77,60.122 117.678,59.03 117.678,54.458 119.837,52.299 119.837,43.688 118.999,42.85 DT_BL_W_L.6@117.79,42.85 ; DT_BR_W_H.6@117.79,106.876 117.79,105.273 ; DT_BR_W_L.6@118.044,81.476 118.044,81.976 120.345,84.277 120.345,102.718 117.881,105.181 ; v1(169.316,83.464) v1(169.316,95.148) ; 42.672,83.124 45.466,85.918 ; 42.672,83.124 41.59,82.042 DT_FR_U_H.6@41.59,80.968 45.466,84.844 v3(45.466,88.138) ; 45.466,85.918 v3(45.466,88.138) ; 45.466,85.918 47.142,87.594 47.142,105.562 48.463,106.883 48.463,110.744 47.269,111.938 39.726,111.938 39.726,114.3 39.98,114.554 55.042,114.554 59.467,110.129 ; 56.83,42.706 DT_FL_V_L.6@56.83,43.358 ; 59.467,110.129 61.681,112.344 71.755,112.344 ; 71.755,112.344 74.647,109.453 ; 74.647,109.453 81.28,102.819 86.335,102.819 86.335,104.165 86.614,104.445 87.922,104.445 87.922,101.028 89.865,99.085 89.865,94.666 89.408,94.209 89.408,83.652 ; 89.408,83.652 91.288,85.532 91.288,98.095 97.257,104.064 99.238,104.064 99.238,98.196 100.74,96.694 100.74,92.456 98.704,90.42 98.704,82.601 100.584,80.721 104.191,80.721 107.747,84.277 107.747,98.552 ; 107.747,98.552 113.132,98.552 116.942,102.362 v1@116.942,104.242 ; 114.3,41.656 117.282,41.656 117.79,42.164 DT_BL_W_L.6@117.79,42.85 ; v1@116.942,104.242 117.79,105.09 ; v1@116.942,104.242 116.967,104.242 117.79,105.065 117.79,105.09 ; v1@116.942,104.242 117.79,105.273 ; 117.79,105.09 117.79,105.273 ; 117.79,105.09 117.881,105.181 ; 117.79,105.273 117.881,105.181
  Signal Layer 1 w0.305: 5V_Supply.2@88.82,35.306 90.322,35.306 95.86,40.843 v1(107.925,40.843) ; v1(103.251,104.318) 104.318,105.385 115.697,105.385 v1(116.84,104.242) ; v1(169.316,95.148) 169.316,98.857 168.656,99.517 164.558,99.517 164.253,99.822 164.253,100.398 169.316,105.461 v1(169.316,106.578)
  Signal Layer 2 w0.305: v1(40.996,59.893) 42.012,60.909 46.761,60.909 48.285,59.385 68.906,59.385 ; v1(42.672,64.795) 45.466,67.589 45.466,82.826 ; v1(45.466,91.821) v3(45.466,88.138) 45.466,82.826 ; v1(58.014,37.084) 58.522,37.592 88.312,37.592 88.82,37.084 ; 5V_Supply.2@88.82,35.306 88.82,37.084 ; v1(107.925,40.843) 107.925,43.434 v1(108.661,44.171) ; v1(169.316,83.464) 169.316,74.473 v1(170.612,73.177) ; 45.466,82.826 68.906,59.385 ; 68.906,59.385 88.82,39.472 88.82,37.084
  Bottom Layer w0.508: v1(116.84,104.242) 120.574,104.242 122.174,102.641 140.056,102.641 143.84,106.426 159.766,106.426 160.426,105.766 168.656,105.766 169.308,106.418 v1@169.308,106.587 ; TO1.16@169.308,50.704 TO1.16@169.308,50.749 ; TO2.16@169.308,62.134 169.308,60.253 171.247,58.314 171.247,53.849 169.308,51.91 TO1.16@169.308,50.749 ; TO3.16@169.308,73.564 169.308,72.619 170.053,72.619 v1(170.612,73.177) ; TO5.16@169.308,96.424 169.308,95.157 v1(169.316,95.148) ; TO6.16@169.308,107.854 v1@169.308,106.587 ; v1(169.316,83.464) 169.308,83.473 TO4.16@169.308,84.74 169.308,84.76 173.736,84.76 174.93,83.566 174.93,51.816 173.863,50.749 TO1.16@169.308,50.749 ; v1(169.316,106.578) v1@169.308,106.587
VCC_MOTOR: MOSFET_BL_U_H.D MOSFET_BL_V_H.D MOSFET_BL_W_H.D MOSFET_BR_U_H.D MOSFET_BR_V_H.D MOSFET_BR_W_H.D MOSFET_FL_U_H.D MOSFET_FL_V_H.D MOSFET_FL_W_H.D MOSFET_FR_U_H.D MOSFET_FR_V_H.D MOSFET_FR_W_H.D MOTOR_Supply.2 Schottky_diode_BL_U_H.2 Schottky_diode_BL_V_H.2 Schottky_diode_BL_W_H.2 Schottky_diode_BR_U_H.2 Schottky_diode_BR_V_H.2 Schottky_diode_BR_W_H.2 Schottky_diode_FL_U_H.2 Schottky_diode_FL_V_H.2 Schottky_diode_FL_W_H.2 Schottky_diode_FR_U_H.2 Schottky_diode_FR_V_H.2 Schottky_diode_FR_W_H.2 | length 550.4
  Top Layer w0.254: Schottky_diode_FR_U_H.2@41.148,124.587 Schottky_diode_FR_V_H.2@46.736,124.587 ; Schottky_diode_FR_U_H.2@41.289,124.446 34.798,117.955 34.798,112.268 36.068,110.998 45.466,110.998 v3@46.99,109.474 ; Schottky_diode_FL_V_H.2@48.006,27.94 Schottky_diode_FL_W_H.2@53.594,27.94 ; v1(123.952,84.023) 123.952,89.103 124.968,90.119 134.798,90.119 144.247,99.568 144.247,104.851 151.308,111.912 151.308,123.952 151.816,124.46 Schottky_diode_BR_U_H.2@153.162,124.46 155.436,124.447 Schottky_diode_BR_V_H.2@157.688,124.447 159.969,124.447 159.982,124.46 Schottky_diode_BR_W_H.2@162.306,124.46 ; Schottky_diode_BL_U_H.2@147.228,39.927 150.952,39.927 151.021,39.996 Schottky_diode_BL_V_H.2@154.76,39.996
  Top Layer w0.635: v3(34.036,69.088) 34.036,30.734 36.917,27.853 Schottky_diode_FL_U_H.2@41.202,27.853 53.507,27.853 Schottky_diode_FL_W_H.2@53.594,27.94 ; Schottky_diode_FR_U_H.2@41.148,124.587 34.798,118.237 34.798,112.268 36.068,110.998 45.974,110.998 v3(47.498,109.474) v3@46.99,109.474 ; Schottky_diode_FR_U_H.2@41.289,124.446 Schottky_diode_FR_W_H.2@53.34,124.446 ; MOTOR_Supply.2@133.564,40.132 133.7,39.996 Schottky_diode_BL_V_H.2@154.76,39.996 154.78,39.976 Schottky_diode_BL_W_H.2@162.151,39.976
  Bottom Layer w0.508: MOSFET_FL_U_H.D@40.64,70.11 MOSFET_FR_U_H.D@40.64,82.036 ; MOSFET_FL_V_H.D@54.61,70.11 MOSFET_FL_V_H.D@55.88,70.11 ; MOSFET_FL_W_H.D@71.12,70.11 MOSFET_FR_W_H.D@71.12,82.036 ; MOSFET_BL_U_H.D@85.09,70.11 90.358,75.377 95.062,75.377 MOSFET_BL_V_H.D@100.33,70.11 ; MOSFET_BL_V_H.D@101.6,70.11 101.6,73.914 102.972,73.914 102.972,70.11 MOSFET_BL_V_H.D@102.87,70.11 ; MOSFET_BR_W_H.D@116.84,82.036 123.444,82.036 123.952,82.544 v1(123.952,84.023)
  Bottom Layer w0.635: v3(34.036,69.088) 39.618,69.088 MOSFET_FL_U_H.D@40.64,70.11 ; v3(47.498,109.474) 48.26,108.712 48.26,82.036
  Bottom Layer w2.54: MOSFET_FL_U_H.D@40.64,70.11 MOSFET_FL_V_H.D@54.61,70.11 ; MOSFET_FR_U_H.D@40.64,82.036 48.26,82.036 MOSFET_FR_V_H.D@55.88,82.036 MOSFET_FR_W_H.D@71.12,82.036 MOSFET_BR_U_H.D@86.36,82.036 MOSFET_BR_V_H.D@101.6,82.036 MOSFET_BR_W_H.D@116.84,82.036 123.946,82.036 124.714,81.268 124.714,70.104 ; MOSFET_FL_V_H.D@55.88,70.11 MOSFET_FL_W_H.D@69.85,70.11 ; MOSFET_FL_W_H.D@71.12,70.11 MOSFET_BL_U_H.D@85.09,70.11 ; MOSFET_BL_U_H.D@86.36,70.11 MOSFET_BL_V_H.D@100.33,70.11 ; MOSFET_BL_V_H.D@102.87,70.11 MOSFET_BL_W_H.D@116.84,70.11 116.846,70.104 124.714,70.104 ; MOTOR_Supply.2@133.564,40.132 127.722,45.974 v2(124.714,45.974) 124.714,70.104
VCC_SERVO: Back_Left_?.2 Back_Right_?.2 Front_Left_?.2 Front_Right_?.2 Servo_Supply.2 | length 267.8
  Top Layer w0.254: Front_Left_?.2@29.718,55.88 28.753,56.845 28.753,95.301 Front_Right_?.2@29.718,96.266 ; Back_Left_?.2@173.736,55.626 174.727,56.617 174.727,95.275 Back_Right_?.2@173.736,96.266
  Signal Layer 1 w0.305: Front_Left_?.2@29.718,55.88 27.915,54.077 27.915,44.425 32.791,39.548 73.504,39.548 73.834,39.218 Servo_Supply.2@73.834,35.052 78.003,35.052 84.049,29.007 159.461,29.007 172.72,42.266 172.72,54.61 Back_Left_?.2@173.736,55.626
pads on no net: ANYFC_F7.7 ANYFC_F7.8 Back_Left_Encoder.7 Back_Left_Encoder.8 Back_Right_Encoder.7 Back_Right_Encoder.8 Front_Left_Encoder.7 Front_Left_Encoder.8 Front_Right_Encoder.7 Front_Right_Encoder.8 J?.1 J?.4 J?.MH1 J?.MH2 J?.Shell STM32_?.2 STM32_?.7 STM32_?.8 STM32_?.9 STM32_?.10 STM32_?.11 STM32_?.12 STM32_?.13 STM32_?.16 STM32_?.17 STM32_?.18 STM32_?.19 STM32_?.20 STM32_?.21 STM32_?.22 STM32_?.23 STM32_?.24 STM32_?.31 STM32_?.35 STM32_?.38 STM32_?.43 STM32_?.46 STM32_?.47 STM32_?.49 STM32_?.57 STM32_?.58 STM32_?.64 STM32_?.65 STM32_?.66 STM32_?.67 STM32_?.68 STM32_?.69 STM32_?.70 STM32_?.71 STM32_?.74 STM32_?.75 STM32_?.76 STM32_?.77 STM32_?.78 STM32_?.79 STM32_?.80 STM32_?.84 STM32_?.86 STM32_?.89 STM32_?.95 STM32_?.97 STM32_?.98 STM32_?.106 STM32_?.107 STM32_?.108 STM32_?.109 STM32_?.110 STM32_?.111 STM32_?.120 STM32_?.121 STM32_?.123 STM32_?.124 STM32_?.126 STM32_?.127 STM32_?.129 STM32_?.130 STM32_?.131 STM32_?.132 STM32_?.133 STM32_?.134 STM32_?.135 STM32_?.142 STM32_?.143 STM32_?.144 STM32_?.147 STM32_?.151 STM32_?.152 STM32_?.153 STM32_?.155 STM32_?.156 STM32_?.157 STM32_?.159 STM32_?.163 STM32_?.164 STM32_?.165 STM32_?.166 STM32_?.167 STM32_?.168 STM32_?.169 STM32_?.172 STM32_?.174 STM32_?.175 STM32_?.176 STM32_?.177 STM32_?.179 STM32_?.181 STM32_?.182 STM32_?.183 STM32_?.186 STM32_?.187 STM32_?.188 STM32_?.189 STM32_?.190 STM32_?.191 STM32_?.196 STM32_?.198 STM32_?.199 STM32_?.200 STM32_?.201 STM32_?.203 STM32_?.205 STM32_?.206 STM32_?.207 STM32_?.208 TO1.7 TO1.10 TO2.7 TO2.10 TO3.7 TO3.10 TO4.7 TO4.10 TO5.7 TO5.10 TO6.7 TO6.10 Transistor_Buzzer.3 Transistor_Buzzer.4 Transistor_Buzzer.5

## Polygon pours and split planes (outlines as drawn)
no net on Internal Plane 1 (split plane): 177.29,25.91 25.91,25.91 25.91,126.49 177.29,126.49
no net on Internal Plane 2 (split plane): 177.29,25.91 25.91,25.91 25.91,126.49 177.29,126.49

## Silkscreen, mask and mechanical layers (free items; w line width, h text height)
Top Overlay:
  text "Y" at 36.322,123.444 h1.52
  text "Y" at 165.862,123.444 h1.52
  text "MK_ESC ver 1.0" at 104.648,123.19 h1.4
  text "Designed by" at 105.664,120.142 h1.52
  text "Marek Knosala" at 104.14,116.84 h1.52
  text "R" at 166.116,113.538 h1.52
  text "R" at 36.322,113.284 h1.52
  text "R22" at 142.748,112.522 h1.52
  text "C" at 64.262,111.252 h1.52
  text "R" at 71.882,111.252 h1.52
  text "C" at 78.74,110.998 h1.52
  text "R" at 86.106,110.998 h1.52
  text "C" at 92.964,110.998 h1.52
  text "R" at 100.33,110.998 h1.52
  text "BR" at 166.624,109.22 h1.52
  text "FR" at 33.782,108.712 h1.52
  text "PNP_Buzzer" at 143.764,98.806 h1.52
  text "-" at 31.496,98.298 h1.52
  text "S" at 171.196,98.298 h1.52
  text "+" at 31.496,95.758 h1.52
  text "+" at 171.196,95.504 h1.52
  text "R10k" at 155.956,95.25 h1.52
  text "S" at 31.496,92.964 h1.52
  text "-" at 171.196,92.964 h1.52
  text "2u2F" at 164.084,81.28 h1.52
  text "10nF" at 147.32,81.026 h1.52
  text "10uF" at 155.702,81.026 h1.52
  text "100nF" at 129.54,80.772 h1.52
  text "KNR" at 121.158,76.962 h4.06 r300
  text "MEiL" at 176.022,75.184 h3.05 r90
  text "Selfie v5" at 61.722,74.676 h3.3
  text "2u2F / ESR" at 168.402,64.262 h1.52
  text "Warszawska" at 33.528,62.992 h2.54 r90
  text "Politechnika" at 29.718,61.722 h2.54 r90
  text "-" at 31.242,57.912 h1.52
  text "S" at 171.196,57.658 h1.52
  text "+" at 31.242,55.372 h1.52
  text "+" at 171.196,54.864 h1.52
  text "S" at 31.242,52.578 h1.52
  text "-" at 171.196,52.324 h1.52
  text "16V / MOTOR" at 126.746,44.196 h1.52
  text "BL" at 166.878,41.91 h1.52
  text "FL" at 33.782,41.656 h1.52
  text "5-7V" at 68.834,39.878 h1.52
  text "5V / MOSFET" at 81.026,37.592 h1.52
  text "3V3 / STM32" at 97.282,37.592 h1.52
  text "SERVO" at 67.818,37.338 h1.52
  text "Y" at 165.862,37.338 h1.52
  text "Y" at 36.322,37.084 h1.52
  text "PW" at 61.976,35.306 h4.06 r60
  text "R" at 165.862,27.178 h1.52
  text "R" at 36.322,26.924 h1.52
Bottom Overlay:
  text "R_PNP_NPN" at 136.652,76.708 h1.52 r180
  text "Mosfets" at 119.888,71.12 h1.52 r270
  text "Opto-isolators" at 173.482,66.294 h1.52 r270